# Altium PCB TE0723.PcbDoc (part 3 of 3) (continued)
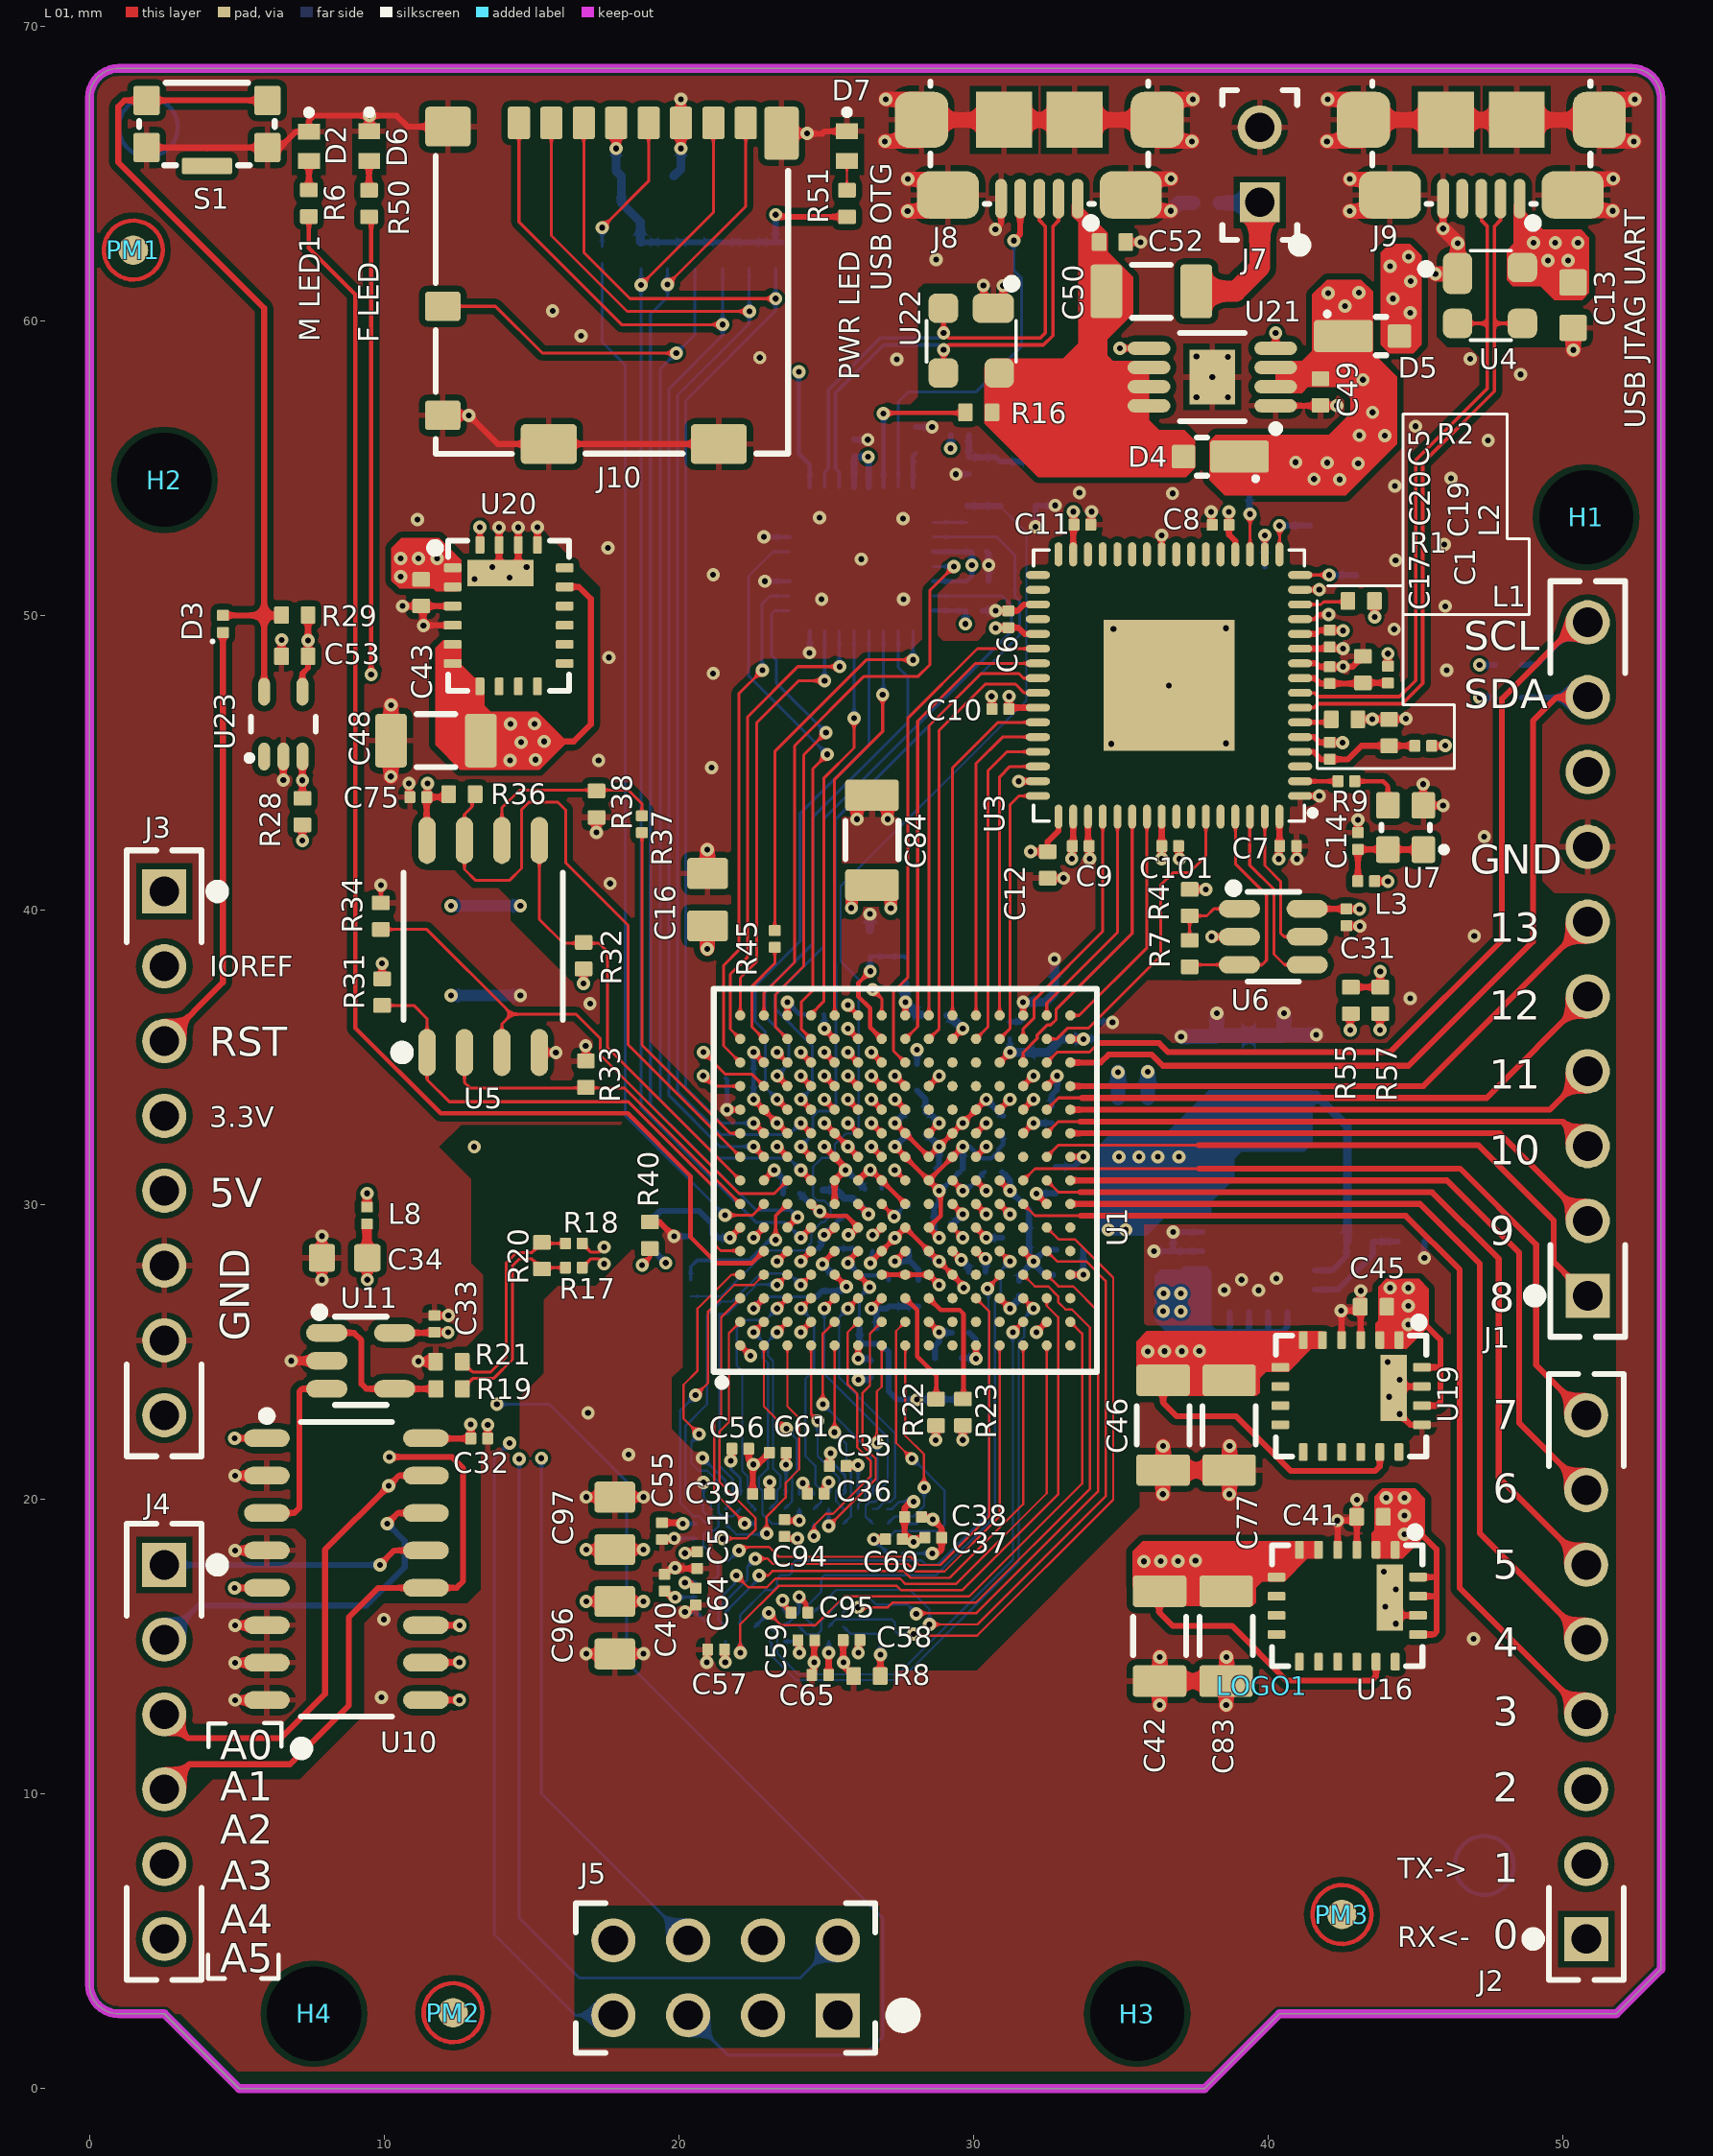
[diagram p0: L 01 view]
## Nets (pads, with @x,y where several pads share a name; then routed paths per layer and width w, separated by ;. In a path a pad name is that pad's centre, name@x,y a point inside that pad or via, vN(x,y) a via of type N, cw(c..) or ccw(c..) an arc to the next point about the centre after c; other vN are vias at no path point) (continued)
OTG-DATA3: U1.A14 U18.6 | length 16.4
  L 01 w0.1: U1.A14@22.09,35.63 21.75,35.97 21.75,37.83 22.34,38.42 22.34,46.57 24.04,48.27 v1(25.46,48.27)
  L 08 w0.1: U18.6@25.45,49.48 25.45,48.28 v1(25.46,48.27)
OTG-DATA4: U1.A15 U18.7 | length 14.8
  L 01 w0.1: U1.A15@22.09,36.43 22.09,37.71 22.64,38.26 22.64,46.36 24.07,47.79 v1(24.95,47.79)
  L 08 w0.1: v1(24.95,47.79) U18.7@24.95,49.48
OTG-DATA5: U1.C14 U18.9 | length 16.7
  L 01 w0.1: U1.C14@23.69,35.63 23.28,36.04 23.28,37.14 24.24,38.1 24.24,45.27 v1(25,46.03)
  L 08 w0.1: U18.9@23.76,50.17 23.25,50.17 23.15,50.07 23.15,48.66 23.31,48.5 23.31,47.72 v1(25,46.03)
OTG-DATA6: U1.A13 U18.10 | length 17.5
  L 01 w0.1: U1.A13@22.09,34.83 21.52,35.4 21.52,38.13 22.04,38.65 22.04,47.35 v1(22.84,48.15)
  L 08 w0.1: v1@22.83,48.03 22.83,50.4 23.1,50.67 U18.10@23.76,50.67
OTG-DATA7: U1.D14 U18.13 | length 19
  L 01 w0.1: U1.D14@24.49,35.63 24.165,35.955 24.165,36.895 24.55,37.28 24.55,44.8 v1(25.04,45.29)
  L 08 w0.1: U18.13@23.76,52.17 23.2,52.17 22.37,51.34 22.37,47.96 v1(25.04,45.29)
OTG-DIR: U1.D11 U18.31 | length 24.1
  L 01 w0.15: v1(24.14,33.58) U1.D11@24.49,33.23
  L 08 w0.1: v1(24.14,33.58) 24.53,33.97 24.53,35.4 23.27,36.66 23.27,37.12 24.92,38.77 24.92,43.1 31.3,49.48 31.3,50.34 30.97,50.67 U18.31@28.64,50.67
OTG-NXT: U1.C12 U18.2 | length 18.3
  L 01 w0.15: v1(23.34,34.38) U1.C12@23.69,34.03
  L 08 w0.1: v1(23.34,34.38) 23.74,34.78 23.74,35.6 22.92,36.42 22.92,37.23 24.56,38.87 24.56,43.17 27.78,46.39 27.78,47.91 27.45,48.24 U18.2@27.45,49.48
OTG-RCLK: R46.2 U18.26 | length 1.1
  L 08 w0.1: U18.26@28.64,53.17 R46.2@29.77,53.17
OTG-STP: U1.B15 U18.29 | length 19.7
  L 01 w0.1: U1.B15@22.89,36.43 22.89,37.19 23.93,38.23 23.93,45.58 26.29,47.94 28.13,47.94 28.52,48.33 28.52,50.85 v1(29.34,51.67)
  L 08 w0.1: U18.29@28.64,51.67 v1(29.34,51.67)
OTG_ID: J8.4 U18.23 | length 13.1
  L 01 w0.2: v1(31.37,62.73) 31.59,62.95 J8.4@31.59,64.155
  L 08 w0.1: U18.23@27.45,54.36 27.45,57.25 27.8,57.6 30.1,57.6 31.63,59.13 31.63,61.46 31.37,61.72 v1(31.37,62.73)
OTG_N: J8.2 U18.19 U22.3 | length 17.1
  L 01 w0.12: U22.3@28.98,58.235 28.99,58.245 v1(28.99,59.025) 29.155,59.19 32.379,59.19 32.7,59.511 32.7,63.215 32.89,63.405 J8.2@32.89,64.155
  L 08 w0.12: U18.19@25.45,54.36 25.45,54.87 25.32,55 25.32,57.56 26.95,59.19 28.825,59.19 v1(28.99,59.025)
OTG_P: J8.3 U18.18 U22.2 | length 17.1
  L 01 w0.12: U22.2@28.98,60.435 28.99,60.425 v1(28.99,59.595) 29.155,59.43 32.28,59.43 32.445,59.595 32.445,63.215 32.24,63.42 J8.3@32.24,64.155
  L 08 w0.12: U18.18@24.95,54.36 24.95,54.87 25.08,55 25.08,57.659 26.851,59.43 28.825,59.43 v1(28.99,59.595)
OTG_VBUS: R16.1 U18.22 | length 5.3
  L 01 w0.15: v1(26.95,56.86) 26.97,56.88 R16.1@29.73,56.88
  L 08 w0.15: U18.22@26.95,54.36 v1(26.95,56.86)
POR_B: R28.1 U1.C9 U23.3 | length 27.4
  L 01 w0.15: v1(23.34,31.98) U1.C9@23.69,31.63
  L 01 w0.2: R28.1@7.23,43.8 v1(7.23,44.41) U23.3@7.23,45.22
  L 03 w0.1: v1(13.06,31.97) 14.2,31.97 14.4,32.17 21.9,32.17 22.11,32.38 22.94,32.38 v1(23.34,31.98)
  L 06 w0.1: v1(7.23,44.41) 8.85,42.79 8.85,36.18 v1(13.06,31.97)
PROG_B: R57.1 U1.K6 | length 18.6
  L 01 w0.075: U1.K6@29.29,29.23 v1(29.64,28.88)
  L 01 w0.1: R57.1@43.8,36.48 R57.1@43.81,36.49
  L 01 w0.2: v1(43.8,35.94) R57.1@43.8,36.48
  L 06 w0.1: v1(29.64,28.88) 30.04,29.28 33.65,29.28 34.01,29.64 38.37,29.64 43.8,35.07 v1(43.8,35.94)
PS_CLK: R30.2 U1.C7 | length 5.1
  L 01 w0.12: v1(23.29,28.81) 23.29,29.63 U1.C7@23.69,30.03
  L 08 w0.12: R30.2@20.41,27.465 20.41,27.9 20.63,28.12 22.39,28.12 23.08,28.81 v1(23.29,28.81)
PUDC: R43.2 R44.1 U1.G14 | length 4.7
  L 01 w0.15: v1@26.36,37.97 v1@26.54,37.97 ; v1(26.5,37.93) 26.1,37.53 26.1,37.07 26.5,36.67 26.5,36.02 U1.G14@26.89,35.63
  L 08 w0.15: v1@26.5,37.95 R44.1@26.5,38.36 ; R44.1@26.54,38.38 26.5,38.42 R44.1@26.49,38.43 27.66,38.43 R43.2@27.68,38.41
RAM_NC1: U8.A1
RAM_NC2: U8.A2
RAM_NC3: U8.A3
RAM_NC4: U8.A4
RAM_NC5: U8.A5
RAM_NC6: U8.A6
RAM_NC7: U8.A10
RAM_NC8: U8.A11
RAM_NC9: U8.B1
RAM_NC10: U8.B2
RAM_NC11: U8.B3
RAM_NC12: U8.B4
RAM_NC13: U8.B5
RAM_NC14: U8.B6
RAM_NC15: U8.B11
RAM_NC16: U8.C1
RAM_NC17: U8.C2
RAM_NC18: U8.C3
RAM_NC19: U8.C5
RAM_NC20: U8.C6
RAM_NC21: U8.C7
RAM_NC22: U8.D2
RAM_NC23: U8.F5
RAM_NC24: U8.F7
RAM_NC25: U8.L3
RAM_NC26: U8.F6
RAM_NC27: U8.G7
RAM_NC28: U8.G6
RAM_NC29: U8.G5
RAM_NC30: U8.H5
RAM_NC31: U8.H6
RAM_NC32: U8.H7
RAM_NC33: U8.J5
RAM_NC34: U8.J6
RAM_NC35: U8.J7
RAM_NC36: U8.K5
RAM_NC37: U8.K6
RAM_NC38: U8.L1
RAM_NC39: U8.K7
RAM_NC40: U8.N5
RAM_NC41: U8.N6
RAM_NC42: U8.N7
RAM_NC43: U8.P1
RAM_NC44: U8.P6
RAM_NC45: U8.P11
RAM_NC46: U8.R1
RAM_NC47: U8.R2
RAM_NC48: U8.R10
RAM_NC49: U8.R11
RAM_NC50: U8.P4
RST: D3.2 R29.1 S1.1 S1.5 U23.5 | length 29.1
  L 01 w0.2: D3.2@4.53,50.01 5.93,50.01 ; U23.5@5.93,47.42 5.93,50.01 ; S1.1@6.04,67.49 S1.5@1.94,67.49 1.19,67.49 0.98,67.28 0.98,65.39 5.93,60.44 5.93,50.01 ; R29.1@6.52,50.02 6.51,50.01 5.93,50.01
RXD: J2.1 U1.N11 | length 41.9
  L 01 w0.15: U1.N11@31.69,33.23 v1(32.04,33.58)
  L 03 w0.2: v1(32.04,33.58) 40.74,33.58 48.09,26.23 48.09,7.79 J2.1@50.8,5.08
SCL: J1.10 R42.1 U1.P13 | length 32.4
  L 01 w0.1: U1.P13@32.49,34.83 32.84,35.18 33.93,35.18 34.24,35.49 ; J1.10@50.524,49.764 J1.10@50.85,49.764
  L 01 w0.2: 34.24,35.49 36.3,35.49 36.61,35.18 44.14,35.18 47.94,38.98 47.94,47.18 J1.10@50.524,49.764
  L 08 w0.2: R42.1@48.61,48.33 49.11,48.33 50.54,49.76 50.835,49.76 J1.10@50.85,49.775
SD_CD/MIO0: J10.9 R15.2 U1.D8 | length 43.5
  L 01 w0.1: J10.9@11.992,60.5 13.78,60.5 15.37,58.91 v1(19.92,58.91)
  L 01 w0.15: v1(24.14,31.18) U1.D8@24.49,30.83
  L 08 w0.1: R15.2@20.55,61.78 20.55,59.55 19.38,58.38 19.38,33.56 21.36,31.58 23.74,31.58 v1(24.14,31.18)
SD_CLK: R12.1 U1.B7 | length 35.5
  L 01 w0.1: v1(21.57,29.648) 22.508,29.648 U1.B7@22.89,30.03
  L 08 w0.1: R12.1@17.4,61.955 17.4,59.29 18.18,58.51 18.18,33.038 v1(21.57,29.648)
SD_CMD: J10.3 R11.2 U1.B10 | length 43.9
  L 01 w0.1: J10.3@16.777,66.725 16.777,62.333 18.35,60.76 v1(23.29,60.76)
  L 01 w0.15: v1(22.54,32.78) U1.B10@22.89,32.43
  L 08 w0.1: v1(22.54,32.78) 21.44,32.78 20.24,33.98 20.24,57.3 23.29,60.35 R11.2@23.29,61.78 R11.2@23.29,61.79
SD_D0: J10.7 R13.2 U1.D6 | length 42.7
  L 01 w0.1: v1(18.72,61.23) 21.177,63.687 J10.7@21.177,66.725
  L 01 w0.15: v1(24.14,28.88) U1.D6@24.49,29.23
  L 08 w0.1: R13.2@18.72,61.78 v1(18.72,61.23) 18.72,33.31 21.19,30.84 22.62,29.41 23.61,29.41 v1(24.14,28.88)
SD_D1: J10.8 R14.2 U1.C6 | length 42.3
  L 01 w0.1: v1(19.62,61.24) 22.277,63.897 J10.8@22.277,66.725
  L 01 w0.15: U1.C6@23.69,29.23 v1(24.04,29.58)
  L 08 w0.1: R14.2@19.62,61.78 19.62,60.81 19.04,60.23 19.04,33.41 22.63,29.82 23.8,29.82 v1(24.04,29.58)
SD_D2: J10.1 R5.2 U1.B9 | length 44.6
  L 01 w0.1: J10.1@14.577,66.725 14.577,63.363 18.06,59.88 v1(21.49,59.88)
  L 01 w0.15: v1(22.54,31.98) U1.B9@22.89,31.63
  L 08 w0.1: R5.2@21.49,61.79 R5.2@21.49,61.78 21.49,59.52 19.67,57.7 19.67,33.71 21.4,31.98 v1(22.54,31.98)
SD_D3: J10.2 R10.2 U1.D10 | length 46.1
  L 01 w0.1: J10.2@15.677,66.725 15.677,62.903 18.25,60.33 v1(22.4,60.33)
  L 01 w0.15: v1(24.14,32.78) U1.D10@24.49,32.43
  L 08 w0.1: R10.2@22.39,61.79 R10.2@22.39,61.78 22.39,59.91 19.96,57.48 19.96,33.85 21.43,32.38 23.74,32.38 v1(24.14,32.78) v1@24.19,32.78
SDA: J1.9 R35.1 U1.R13 | length 29.6
  L 01 w0.2: U1.R13@33.29,34.83 34.32,34.83 34.59,35.1 36.05,35.1 36.43,34.72 44.77,34.72 48.99,38.94 48.99,46.43 49.784,47.224 J1.9@50.85,47.224
  L 08 w0.2: R35.1@48.61,47.22 50.835,47.22 J1.9@50.85,47.235
SPI0_CS: R31.1 U1.A5 U5.1 | length 17.9
  L 01 w0.1: R31.1@9.933,36.77 11.01,36.77 11.459,36.321 U5.1@11.459,35.172 11.459,34.253 12.212,33.5 18.29,33.5 21.16,30.63 21.16,28.71 21.427,28.443 22.077,28.443 U1.A5@22.09,28.43
SPI0_DQ0/M0: R32.1 U1.A8 U5.5 | length 15.1
  L 01 w0.1: U5.5@15.269,42.372 15.269,39.693 16.082,38.88 17.29,38.88 17.587,38.583 17.587,35.333 U1.A8@22.09,30.83
SPI0_DQ1/M1: R33.1 U1.A7 U5.2 | length 12.1
  L 01 w0.1: U5.2@12.729,35.172 12.729,34.153 12.912,33.97 18.15,33.97 U1.A7@22.09,30.03
SPI0_DQ2/M2: R34.1 U1.C8 U5.3 | length 19.5
  L 01 w0.1: R34.1@9.89,39.35 11.45,39.35 14.33,36.47 ; U5.3@13.999,35.172 13.999,36.139 14.33,36.47 ; U1.C8@23.69,30.83 23.24,30.38 22.05,30.38 17.34,35.09 17.34,35.65 16.52,36.47 14.33,36.47
SPI0_DQ3/M3: R36.1 U1.A9 U5.7 | length 22.9
  L 01 w0.1: R36.1@13.09,43.94 12.99,43.84 12.99,43.52 12.729,43.259 U5.7@12.729,42.372 12.729,41.391 13.098,41.022 14.264,41.022 14.664,41.422 14.664,43.422 14.914,43.672 15.896,43.672 16.164,43.404 16.164,41.606 18.282,39.488 18.282,35.438 U1.A9@22.09,31.63
SPI0_SCK: R37.1 U1.A10 | length 11.8
  L 01 w0.1: R37.1@18.754,42.615 18.754,35.426 21.75,32.43 U1.A10@22.09,32.43
SPI0_SCK/M4: R37.2 R38.1 U5.6 | length 6.7
  L 01 w0.1: U5.6@13.999,42.372 13.999,43.479 14.6,44.08 18.29,44.08 18.75,43.62 R37.2@18.75,43.205
TCK: TP3.1 U1.G9 U3.16 | length 40.1
  L 01 w0.1: U3.16@41.09,51.38 v1(42.07,51.38)
  L 01 w0.15: v1(26.54,31.98) U1.G9@26.89,31.63
  L 06 w0.1: v1(26.54,31.98) 26.915,31.605 30.005,31.605 30.38,31.23 32.67,31.23 33.64,32.2 37.53,32.2 39.05,33.72 39.05,52.48 40.18,53.61 40.91,53.61 42.07,52.45 v1(42.07,51.38)
  L 08 w0.2: v1(42.07,51.38) 42.987,51.38 TP3.1@43.005,51.362
TDI: TP1.1 U1.L7 U3.17 | length 33.7
  L 01 w0.1: U3.17@40.39,52.08 v1(40.39,53.06)
  L 01 w0.15: U1.L7@30.09,30.03 v1(30.44,29.68)
  L 06 w0.1: v1(30.44,29.68) 30.84,30.08 31.53,30.08 31.66,29.95 32.77,29.95 33.34,30.52 37.37,30.52 39.85,33 39.85,50.7 40.39,51.24 v1(40.39,53.06)
  L 08 w0.2: v1(40.39,53.06) 41.419,53.06 TP1.1@41.422,53.057
TDO: TP2.1 U1.L8 U3.18 | length 32
  L 01 w0.1: U3.18@39.89,52.08 v1(39.89,52.73)
  L 01 w0.15: U1.L8@30.09,30.83 v1(30.44,30.48)
  L 06 w0.1: v1(30.44,30.48) 30.88,30.92 37.15,30.92 39.45,33.22 39.45,50.836 39.89,51.276 v1(39.89,52.73)
  L 08 w0.2: v1(39.89,52.73) 39.89,51.669 TP2.1@39.891,51.668
TMS: TP4.1 U1.L9 U3.19 | length 32.3
  L 01 w0.1: U3.19@39.39,52.08 v1(39.39,53.45)
  L 01 w0.15: U1.L9@30.09,31.63 v1(30.44,31.98)
  L 06 w0.1: v1(30.44,31.98) 30.892,31.528 32.428,31.528 33.45,32.55 37.03,32.55 37.71,33.23 37.71,36.81 38.53,37.63 38.53,44.99 38.08,45.44 38.08,52.14 v1(39.39,53.45)
  L 08 w0.2: TP4.1@39.37,54.404 39.37,53.47 v1(39.39,53.45)
TXD: J2.2 U1.M11 | length 41.1
  L 01 w0.15: U1.M11@30.89,33.23 v1(31.24,33.58)
  L 03 w0.1: 31.64,33.98 33.21,33.98
  L 03 w0.2: v1(31.24,33.58) 31.64,33.98 ; 33.21,33.98 41.36,33.98 48.74,26.6 48.74,9.68 J2.2@50.8,7.62
USB_B_VBUS: C13.2 D5.2 J9.1 U4.4
  other v1: 44.83,60.28 44.24,60.76 44.84,61.35 44.14,61.86 49.5,62.06 50.18,62.06 44.77,62.19 49.01,62.66 49.75,62.66 50.52,62.66
USB_OC: U1.F15 U21.5 | length 28.2
  L 01 w0.1: v1(25.74,36.78) U1.F15@26.09,36.43
  L 01 w0.2: v1(34.97,59.08) 35.955,59.08 U21.5@35.96,59.075
  L 03 w0.2: v1(25.74,36.78) 25.01,37.51 25.01,43.64 28.64,47.27 28.64,52.75 v1(34.97,59.08)
USB_OTG_VBUS: C50.2 C52.1 D4.2 J8.1 R16.2 U21.6 U21.7 U21.8 U22.4
V_N: C28.2 R18.2 U1.H8 | length 13.5
  L 01 w0.1: R18.2@16.725,28.69 17.025,28.39 17.295,28.39 v1(17.47,28.565) ; v1@27.34,31.18 U1.H8@27.69,30.83
  L 06 w0.1: v1(17.47,28.565) 17.655,28.38 17.987,28.38 20.218,30.611 27.231,30.611 27.33,30.71 v1(27.33,31.18)
  L 08 w0.1: v1(27.33,31.18) 27.67,30.84 C28.2@27.84,30.84
V_P: C28.1 R17.2 U1.G7 | length 13.9
  L 01 w0.1: R17.2@16.725,27.87 17.025,28.17 17.295,28.17 v1(17.47,27.995) ; U1.G7@26.89,30.03 27.315,29.605 v1@27.32,29.6
  L 06 w0.1: v1(17.47,27.995) 17.655,28.18 18.07,28.18 20.301,30.411 27.259,30.411 27.32,30.35 27.32,29.61 v1(27.31,29.6)
  L 08 w0.1: v1(27.31,29.6) 27.65,29.94 C28.1@27.84,29.94
VBUS_V_EN: U18.17 U21.4 | length 21.6
  L 01 w0.2: U21.4@40.26,59.075 v1(40.26,59.6)
  L 03 w0.15: v1(24.08,58.28) 33.19,58.28 34.86,59.95 39.91,59.95 v1(40.26,59.6)
  L 08 w0.15: v1@24.07,58.29 24.07,55.5 24.45,55.12 U18.17@24.45,54.36
VCORE: C5.1 C6.1 C7.1 C12.2 U3.12 U3.37 U3.49 U3.64 | length 31.2
  L 01 w0.2: v1@30.745,49.595 C6.1@31.19,49.595 31.525,49.595 31.74,49.38 U3.37@32.19,49.38 ; v1@32.02,41.99 C12.2@32.52,41.99 32.52,42.33 32.89,42.7 U3.49@32.89,43.18 ; v1(40.36,41.74) 40.36,42.145 C7.1@40.395,42.18 ; C7.1@40.39,42.18 U3.64@40.39,43.18 ; U3.12@41.09,49.38 41.63,49.38 41.755,49.505 C5.1@42.09,49.505 42.535,49.505 v1(42.55,49.49)
  L 03 w0.2: 41.88,49.18 42.19,49.49 v1(42.55,49.49)
  L 03 w0.6: v1@30.76,49.495 33,47.255 33,43.05 ; v1(31.94,41.99) 33,43.05 ; v1@40.278,41.758 38.986,43.05 ; 41.88,49.18 41.18,48.48 41.18,45.244 38.986,43.05 ; 33,43.05 38.986,43.05
  other v1: 30.76,49.58
VR_N: R18.1 R20.2 R21.1 | length 7.4
  L 01 w0.1: R21.1@12.65,24.68 13.003,24.327 13.627,24.327 14.14,24.84 14.14,28.021 14.504,28.385 15.019,28.385 R20.2@15.359,28.725 ; R20.2@15.394,28.69 R18.1@16.155,28.69
  L 01 w0.15: R20.2@15.359,28.725 R20.2@15.394,28.69
VR_P: R17.1 R19.2 R20.1 | length 7.3
  L 01 w0.1: R19.2@12.659,23.754 13.012,24.107 13.718,24.107 14.36,24.749 14.36,27.93 14.595,28.165 15.019,28.165 R20.1@15.359,27.825 15.404,27.87 R17.1@16.155,27.87
pads on no net: H1.1 H2.1 H3.1 H4.1 J3.1 J3.8 J9.4 PM1.0 PM2.0 PM3.0 PM4.0 PM5.0 PM6.0 S1.3 U1.J7 U3.3 U3.21 U3.22 U3.23 U3.24 U3.26 U3.27 U3.28 U3.29 U3.30 U3.32 U3.33 U3.34 U3.36 U3.57 U3.58 U3.60 U16.8 U16.9 U16.10 U16.11 U16.12 U16.13 U16.14 U16.16 U17.8 U17.9 U17.10 U17.11 U17.12 U17.13 U17.14 U18.12 U18.15 U18.16 U18.25 U19.8 U19.9 U19.10 U19.11 U19.12 U19.13 U19.14 U19.16 U20.8 U20.9 U20.10 U20.11 U20.12 U20.13 U20.14 U20.16 U23.1

## Polygon pours and split planes (outlines as drawn)
GND on L 03 "L03_GND" (solid, remove dead copper, pour order 18): -0.47,68.58 -0.47,0 39.538,0 40.978,1.44 53.333,1.44 53.34,68.58
1.2V on L 03 "L03_1V2" (solid, remove dead copper, pour order 17): 22.39,27.63 19.679,24.919 19.182,24.53 19.182,17.958 18.57,17.345 16.715,17.345 16.38,17.01 16.38,15.63 18.2,13.81 34.26,13.81 37.98,17.53 37.98,18.17 35.24,20.91 35.24,24.53 35.24,26.98 35.24,27.28 34.64,27.88 34.49,28.03 33.89,28.03 33.74,28.03 33.19,27.48 26.04,27.48 25.84,27.68 22.44,27.68
1.0V on L 03 "L03_1V" (solid, remove dead copper, pour order 16): 24.84,33.18 24.54,32.88 24.54,31.73 24.69,31.58 27.24,31.58 27.59,31.58 27.84,31.33 27.99,31.18 27.99,29.83 27.99,29.58 27.74,29.33 27.69,29.28 26.34,29.28 26.14,29.08 26.14,27.88 26.34,27.68 33.09,27.68 33.846,28.436 35.143,28.436 37.712,31.006 37.712,32.302 37.712,32.718 37.25,33.18
GND on L 02 "L02_GND" (solid, remove dead copper, pour order 15): -0.71,68.58 -0.71,-0.15 39.388,-0.15 53.333,-0.15 53.34,68.58
GND on L 08 "L08_GND" (solid, remove dead copper, pour order 26): -0.81,68.58 -0.81,-0.11 49.942,-0.11 53.333,3.281 53.34,68.58
USB_B_VBUS on L 08 "L08_USBBVBUS" (solid, remove dead copper, pour order 25): 50.83,63.08 49.54,64.37 45.48,64.37 45.07,64.37 43.88,63.18 43.77,63.07 43.77,61.29 43.77,60.48 44.1,60.15 44.56,59.69 45.91,59.69 49.15,59.69 50.83,61.37
5V on L 06 "L06_5V" (solid, remove dead copper, pour order 23): -0.96,68.58 -0.96,2.491 2.377,-0.85 38.688,-0.85 39.678,0.14 53.333,0.14 53.34,68.58
1.8V on L 04 "L04_1V8" (solid, remove dead copper, pour order 19): -0.42,68.58 -0.42,-0.9 38.638,-0.9 40.918,1.38 53.333,1.38 53.34,68.58
BDDR_VREF on L 05 "L05_DDRVREF" (solid, remove dead copper, pour order 20): 27.89,23.99 28.36,23.99 28.51,23.84 28.72,23.63 28.72,21.64 28.72,20.751 26.617,18.648 24.329,16.36 23.88,16.36 23.78,16.36 23.33,16.81 23.02,17.12 23.02,19.2 23.02,20.556 23.639,21.175 24.039,21.575 25.156,21.575 25.156,21.646 25.75,22.24 27.5,23.99 27.59,23.99
3.3VA on L 05 "L05_3V3A" (solid, remove dead copper, pour order 21): 13.33,22.21 13.33,26.23 12.73,26.83 11.1,28.46 9.76,28.46 9.29,28.46 8.83,28 8.75,27.92 8.75,26.4 8.75,24.11 10.58,22.28 11.01,21.85 12.99,21.85 13.05,21.85 13.27,22.07 13.33,22.13 13.33,22.17
3.3V on L 05 "L05_3V3" (solid, remove dead copper, pour order 22): -0.76,68.58 -0.76,1.852 1.459,-0.37 39.168,-0.37 41.268,1.73 53.333,1.73 53.34,68.58
GND on L 07 "L07_GND" (solid, remove dead copper, pour order 24): -0.77,68.58 -0.77,2.382 1.979,-0.37 39.168,-0.37 41.708,2.17 53.333,2.17 53.34,68.58
GND on L 01 "L01_GND" (solid, remove dead copper, pour order 14): -0.04,68.58 -0.04,2.541 3.082,2.539 5.032,0.586 38.075,0.586 40.1,2.61 53.333,2.61 53.34,68.58

## Keep-outs
Keep-Out Layer:
  the board outline again, w0.3

## Other copper
L 01:
  pour cut-out: 16.777,66.725 16.77,66.718 16.77,61.92 17.66,61.03 18.87,61.03 21.5,63.66 21.5,66.81
  pour cut-out: 16.47,6.21 16.47,1.39 26.8,1.39 26.8,6.21
  pour cut-out: 12.45,25.185 12.795,25.185 13.37,25.76 13.37,27.84 13.61,27.84 13.62,27.85 13.885,27.585 13.885,24.946 13.521,24.582
  pour cut-out: 14.48,23.35 15.41,24.28 15.41,26.77 16.22,27.58 14.5,27.58 14.45,27.53
  pour cut-out: 22.84,48.481 22.884,48.525 27.585,48.525 28.53,49.47 28.63,49.47 28.965,49.135 30.14,49.135 30.429,49.424 30.429,49.58 30.85,49.58 31.1,49.33 31.1,48.63 31.02,48.63 28.67,46.28 23.41,46.28 23.2,46.49
  pour cut-out: 42.365,18.29 42.405,18.33 43.15,18.33 44.81,16.67 44.81,15.15 44.41,14.75 42.216,14.75 41.816,15.151 41.816,17.785
  pour cut-out: 42.2,25.44 43.925,25.44 44.31,25.055 44.31,22.84 44.969,22.18 44.72,21.931 44.72,21.91 43.93,21.91 43.91,21.89 43.265,22.535 40.42,22.535 40.42,24.03 40.76,24.37
  pour cut-out: 11.459,41.362 12.397,41.362 13,40.76 13.88,40.76 14.294,40.346 14.294,39.66 16.314,37.64 16.51,37.836 16.51,40.82 15.14,42.19 11.55,42.19
  pour cut-out: 14.6,44.335 13.355,44.335 13.26,44.24 13.42,44.08 14.6,44.08
  pour cut-out: 34.961,36.69 35.911,37.64 41.73,37.64 41.73,37.98 41.46,38.25 36.05,38.25 34.59,37.48
  pour cut-out: 11.59,37.76 12.31,37.76 12.68,37.39 12.68,36.79 12.03,36.79 12,36.76
  pour cut-out: 30.2,61.27 28.32,61.27 28.13,61.08 28.13,57.42 27.82,57.11 27.89,57.04 29.61,57.04 30.14,57.57 30.14,59.14
  pour cut-out: 31.37,62.399 31.37,61.384 31.09,61.104 31.09,59.86 31.19,59.76 31.32,59.89 31.7,59.89 31.7,62.84 31.661,62.879
  pour cut-out: 49.974,59.119 48.239,59.119 47.83,58.71 47.24,58.71 46.83,59.12 46.086,59.12 45.726,59.48 45.726,61.17 46.685,62.129 46.685,63.425 47.15,63.89 48.02,63.89 48.02,63.88 50.1,61.8 50.1,60.2
  pour cut-out: 33.39,43.18 32.89,43.18 32.19,43.88 32.19,51.38 32.89,52.08 40.39,52.08 41.09,51.38 41.09,44.25 40.019,43.179 39.379,43.179
  pour cut-out: 32.015,41.29 31.33,41.29 31.33,41.45 31.42,41.54 32.27,41.54
  pour cut-out: 51.809,12.755 51.8,12.764 51.8,39.623 50.85,40.573 49.717,40.573 49.15,41.14 49.15,46.59 49.795,47.235 51.808,47.235 51.808,49.775 50.515,49.775 47.96,47.22 47.96,15.646 50.85,12.756
  pour cut-out: 19.075,29.15 19.99,29.15 20.143,28.997 20.143,24.493 19.78,24.13 19.78,22.39 20.54,21.63 20.78,21.63 20.78,20.07 21.19,19.66 21.163,19.633 21.163,18.357 21.48,18.04 21.48,15.661 21.131,15.312 21.578,14.865 21.578,14.146 22.476,14.146 22.54,14.21 30.11,14.21 35.637,19.737 35.637,25.733 35.802,25.898 35.802,30.478 33.57,32.71 12.62,32.71 11.88,31.97 12.966,30.885 12.966,28.025 14.03,26.96 14.54,26.96 14.84,27.26 17.185,27.26
  pour cut-out: 15.403,52.886 17.326,50.962 17.326,46.31 15.09,46.31 12.48,48.92 12.48,51.21 13.32,52.05
  region net USB_B_VBUS: 48.34,63.95 48.34,62.63 48.1,62.39 48.1,61.39 48.3,61.19 49.25,61.19 49.72,60.72 50.66,60.72 50.9,60.96 50.9,62.83 50.63,63.1 49.33,63.1 48.59,63.84 48.59,63.95
  region net USB_B_VBUS: 44.11,58.91 43.82,59.2 43.82,62.32 44.12,62.62 44.82,62.62 45.21,62.23 45.21,59.19 44.93,58.91
  region net USB_OTG_VBUS: 33.34,63.96 33.34,63.57 33.56,63.35 33.56,59.25 33.04,58.73 30.66,58.73 30.38,58.45 30.38,56.52 32.19,54.71 37.21,54.71 37.52,55.02 37.52,55.94 37.16,56.3 36.3,56.3 35.96,56.64 35.96,58.425 35.735,58.65 34.73,58.65 34.54,58.84 34.54,59.37 35.42,60.25 35.42,61.49 34.56,62.35 34.56,62.99 33.65,63.9
  region net 5V: 40.26,58.425 40.475,58.64 41.16,58.64 41.5,58.98 41.5,60.9 42,61.4 43.16,61.4 43.56,61 43.56,58.92 44.38,58.1 44.38,55.82 42.64,54.08 38.54,54.08 38.01,54.61 38.01,55.93 38.22,56.14 42.07,56.14 42.8,56.87 42.8,57.37 42.41,57.76 41.35,57.76 41.15,57.56 40.26,57.56
  region net 5V: 44.58,17.99 45.33,18.74 45.33,20.03 44.99,20.37 43.88,20.37 43.61,20.1 43.61,18.95 43.52,18.86 43.52,18.14 43.67,17.99
  region net 1.2V: 35.65,16.39 39.48,16.39 39.59,16.5 39.59,17 39.8,17.21 40.56,17.21 41.34,17.99 41.74,17.99 41.74,18.57 41.72,18.59 35.75,18.59 35.4,18.24 35.4,17.04
  region net 1.8V: 35.78,23.51 39.61,23.51 39.72,23.62 39.72,24.12 39.93,24.33 40.69,24.33 41.47,25.11 41.87,25.11 41.87,25.69 41.85,25.71 35.88,25.71 35.53,25.36 35.53,24.16
  region net 5V: 44.71,25.11 45.46,25.86 45.46,27.15 45.12,27.49 44.01,27.49 43.74,27.22 43.74,26.07 43.65,25.98 43.65,25.26 43.8,25.11
  region net 5V: 12.63,51.89 11.88,52.64 10.59,52.64 10.25,52.3 10.25,51.19 10.52,50.92 11.67,50.92 11.76,50.83 12.48,50.83 12.63,50.98
  region net 3.3V: 12.63,49.05 12.63,48.33 13.06,47.9 13.2,47.9 13.4,47.7 13.4,46.95 13.61,46.74 15.2,46.74 16.22,45.72 15.27,44.77 12.58,44.77 11.74,45.61 11.74,48.9 12.01,49.17 12.16,49.17
  pour cut-out: 1.582,10.16 1.582,12.7 1.602,12.72 2.29,12.72 2.29,10.41 2.54,10.16
  pour cut-out: 6.496,19.029 6.965,19.029 7.694,18.3 7.954,18.56 8,18.56 8,19.23 7.33,19.9
  pour cut-out: 14.591,21.91 14.591,23.811 14.476,23.927 14.419,23.87 13.75,23.87 12.945,23.065 12.945,22.208
  pour cut-out: 11.896,16.489 12.819,16.489 13.275,16.945 13.275,21.779 12.845,22.208 11.421,20.784 11.421,17.409 11.72,17.11
  pour cut-out: 3.37,9.681 4.189,10.5 7.13,10.5 9.31,12.68 9.31,15.8 9.999,16.489 10.946,16.489 10.946,16.786 11.06,16.9 10.93,17.03 9.03,17.03 8.3,16.3 8.3,13.56 6.17,11.43 3.14,11.43
  pour cut-out: 7.365,18.629 7.365,13.197 6.547,12.38 3.074,12.38 2.967,12.273 3.36,11.88 6.48,11.88 8.1,13.5 8.1,18.795 8,18.895
L 03:
  pour cut-out: 35.348,27.229 35.348,28.518 35,28.17 35,27.61 35.03,27.58
  pour cut-out: 10.512,21.441 10.512,17.999 10.187,17.674 10.06,17.801 10.06,21.63 10.052,21.638
  pour cut-out: 51.79,5.79 51.798,5.798 51.798,7.38 50.84,7.38 51.059,7.161 51.059,5.205
  pour cut-out: 1.582,5.08 1.582,7.62 2.54,7.62 2.54,5.08
L 06:
  pour cut-out: 9.39,48.62 6.657,45.887 6.657,44.053 8.47,42.24 8.47,35.77 12.1,32.14 12.1,17.02 11.89,16.81 11.89,12.85 12.13,12.61 13.11,12.61 14.7,14.2 17.48,16.98 17.48,23.34 18,23.86 30.403,23.86 35.633,29.09 38.61,29.09 44.41,34.89 44.41,36.6 41.85,39.16 41.85,46.71 43.03,47.89 43.03,52.36 40.82,54.57 37.96,54.57 37.23,53.84 37.23,42.86 36.28,41.91 36.28,37.67 34.87,36.26 29.3,36.26 27.73,37.83 27.73,38.32 26.98,39.07 24.74,39.07 23.69,38.02 23.01,38.02 22.19,37.2 19.79,37.2 18.65,36.06 12.02,36.06 11.3,36.78 11.3,47.51 10.19,48.62
L 08:
  pour cut-out: 16.47,6.22 16.47,1.4 26.8,1.4 26.8,6.22
  pour cut-out: 16.995,61.807 16.995,64.011 17.364,64.38 17.69,64.38 17.69,61.977 17.482,61.769
  pour cut-out: 24.75,50.02 23.73,50.02 23.62,49.91 23.65,49.88 23.65,48.97 24.45,48.17 24.91,48.63 24.91,48.67
  pour cut-out: 30.673,50.07 30.643,50.1 29.97,50.1 29.97,49.746 30.136,49.58 30.76,49.58
  pour cut-out: 36.13,28.43 35.67,28.89 35.67,28.91 35.92,28.91 36.5,29.49 40.73,29.49 41.58,28.64 41.58,26.99 40.88,26.29 40.82,26.35 38.48,26.35 37.55,27.28
  pour cut-out: 29.358,28.371 21.179,28.371 20.41,27.602 20.41,26.553 20.718,26.245 20.718,24.034 19.77,23.086 19.77,19.218 19.878,19.11 20.38,19.11 21.59,17.9 21.59,14.127 23.143,14.127 23.79,13.48 27.76,13.48 31.93,17.65 31.93,25.43 32.45,25.95 32.45,26.69 31.94,27.2 30.73,27.2 30.25,27.68
  region net 5V: 37.93,27.92 37.15,27.92 37.03,27.8 36.35,27.8 36.15,27.6 36.15,26.08 36.64,25.59 38.17,25.59 38.29,25.71 38.08,25.92 38.08,27.74
  region net 1.0V: 37.94,29.57 36.5,29.57 35.89,28.96 34.46,28.96 34.21,29.21 34.21,31.97 34.63,32.39 36.5,32.39 38,33.89 41.47,33.89 41.86,33.5 41.79,33.43 41.64,33.43 41.51,33.3 41.51,32.99 41.51,32.08 41.24,31.81 39.11,31.81 38.86,31.56 38.86,30.88 38.07,30.09 38.07,29.65
  pour cut-out: 1.582,15.24 1.582,17.412 1.78,17.61 2,17.39 2.53,17.39 2.53,15.25 2.54,15.24

## Silkscreen, mask and mechanical layers (free items; w line width, h text height)
Top Overlay:
  circle w0.4: c7.2,11.55 r0.2
  lines w0.1: 41.67,50.51 41.67,44.82 41.68,44.81 41.79,44.81 46.33,44.81 46.33,46.97 44.58,46.97 44.58,51.01 42.03,51.01 ; 44.58,50.04 44.58,56.84 48.12,56.84 48.12,52.61 48.86,52.61 48.86,50.04 44.58,50.04
  lines w0.15: 4.02,4.54 4.02,3.74 4.6,3.74 ; 4.04,11.6 4.04,12.4 4.62,12.4 ; 5.84,3.74 6.42,3.74 6.42,4.54 ; 5.93,12.41 6.51,12.41 6.51,11.61
  text "USB OTG" at 27.22,61.02 h0.7 r90
  text "M LED1" at 7.82,59.29 h0.7 r90
  text "F LED" at 9.82,59.26 h0.7 r90
  text "PWR LED" at 26.14,57.99 h0.7 r90
  text "USB JTAG UART" at 52.79,56.34 h0.7 r90
  text "SCL" at 46.65,48.82 h1
  text "SDA" at 46.65,46.85 h1
  text "GND" at 46.86,41.23 h1
  text "13" at 47.51,38.93 h1
  text "IOREF" at 4.07,37.75 h0.7
  text "12" at 47.51,36.29 h1
  text "RST" at 4.07,35.04 h1
  text "11" at 47.51,33.94 h1
  text "3.3V" at 4.07,32.64 h0.7
  text "10" at 47.51,31.37 h1
  text "5V" at 4.07,29.92 h1
  text "9" at 47.51,28.63 h1
  text "8" at 47.51,26.37 h1
  text "GND" at 5.43,25.37 h1 r90
  text "7" at 47.63,22.37 h1
  text "6" at 47.63,19.89 h1
  text "5" at 47.63,17.3 h1
  text "4" at 47.63,14.66 h1
  text "3" at 47.63,12.31 h1
  text "A0" at 4.43,11.18 h1
  text "A1" at 4.43,9.77 h1
  text "2" at 47.63,9.74 h1
  text "A2" at 4.43,8.3 h1
  text "TX->" at 44.39,7.14 h0.7
  text "1" at 47.63,7 h1
  text "A3" at 4.43,6.74 h1
  text "A4" at 4.43,5.27 h1
  text "RX<-" at 44.39,4.8 h0.7
  text "0" at 47.63,4.74 h1
  text "A5" at 4.43,3.94 h1
Bottom Overlay:
  lines w0.1: 22.8,27.97 25.54,27.97 25.81,28.24 25.81,28.57 ; 26.31,33.37 26.79,32.89 26.79,31.28 27.36,30.71 ; 30.22,53.79 30.22,53.17 30.44,52.95 33.39,52.95
  text "TMS" at 37.6,54.03 h0.7 r270
  text "TDI" at 42.55,52.59 h0.7 r270
  text "TE0723-01" at 5.55,51.74 h1.5 r270
  text "TDO" at 38.23,50.54 h0.7 r270
  text "TCK" at 44.13,50.21 h0.7 r270
  text "W" at 5.73,36.1 h10 r270
  text "C" at 11.05,20.19 h10 r90
  text "Germany" at 8.16,6.33 h2 r270
  text "32257 Bünde" at 10.16,6.33 h2 r270
  text "Holzweg 19A" at 12.16,6.33 h2 r270
  text "Trenz Electronic GmbH" at 14.16,6.3 h2 r270
PCB-Outline-GM6:
  the board outline again, w0.1

## Dimensions
5.08,0 to 1,68.58 on Dim-Bot-GM2
2.54,22.86 to 1,68.58 on Dim-Bot-GM2
2.54,5.08 to 1,68.58 on Dim-Bot-GM2
7.62,2.54 to 1,68.58 on Dim-Bot-GM2
0,3.54 to 2.54,2.54 on Dim-Bot-GM2
0,3.54 to 5.08,0 on Dim-Bot-GM2
0,3.54 to 7.62,2.54 on Dim-Bot-GM2
0,3.54 to 35.56,2.54 on Dim-Bot-GM2
0,3.54 to 37.85,0 on Dim-Bot-GM2
0,3.54 to 40.39,2.54 on Dim-Bot-GM2
0,3.54 to 53.34,4.06 on Dim-Bot-GM2
0,67.58 to 50.8,53.34 on Dim-Bot-GM2
52.34,68.58 to 50.8,53.34 on Dim-Bot-GM2
52.34,68.58 to 50.85,26.915 on Dim-Bot-GM2
52.34,68.58 to 50.8,5.08 on Dim-Bot-GM2
2.54,40.64 to 0,67.58 on Dim-Bot-GM2
0,3.54 to 51.82,2.54 on Dim-Bot-GM2
1,68.58 to 2.54,54.61 on Dim-Bot-GM2
1,68.58 to 2.54,54.61 on Dim-Top-GM1
0,3.54 to 51.82,2.54 on Dim-Top-GM1
2.54,40.64 to 0,67.58 on Dim-Top-GM1
52.34,68.58 to 50.8,5.08 on Dim-Top-GM1
52.34,68.58 to 50.85,26.915 on Dim-Top-GM1
52.34,68.58 to 50.8,53.34 on Dim-Top-GM1
0,67.58 to 50.8,53.34 on Dim-Top-GM1
0,3.54 to 53.34,4.06 on Dim-Top-GM1
0,3.54 to 40.39,2.54 on Dim-Top-GM1
0,3.54 to 37.85,0 on Dim-Top-GM1
0,3.54 to 35.56,2.54 on Dim-Top-GM1
0,3.54 to 7.62,2.54 on Dim-Top-GM1
0,3.54 to 5.08,0 on Dim-Top-GM1
0,3.54 to 2.54,2.54 on Dim-Top-GM1
7.62,2.54 to 1,68.58 on Dim-Top-GM1
2.54,5.08 to 1,68.58 on Dim-Top-GM1
2.54,22.86 to 1,68.58 on Dim-Top-GM1
5.08,0 to 1,68.58 on Dim-Top-GM1

## Text inside footprints (layer, text, board x,y; h text height)
D2: Assembly Top-GM13 "K" at 7.8,66.555 h0.7 r90; Assembly Top-GM13 "A" at 7.8,64.83 h0.7 r90
D6: Assembly Top-GM13 "A" at 9.85,64.84 h0.7 r90; Assembly Top-GM13 "K" at 9.85,66.565 h0.7 r90
D7: Assembly Top-GM13 "A" at 26.06,64.84 h0.7 r90; Assembly Top-GM13 "K" at 26.06,66.565 h0.7 r90
J1: Assembly Top-GM13 "1" at 50.72,26.56 h1; Assembly Top-GM13 "10" at 50.16,48.62 h1
J2: Assembly Top-GM13 "8" at 51.03,23.31 h1 r180; Assembly Top-GM13 "1" at 50.72,4.55 h1
J3: Assembly Top-GM13 "8" at 2.85,23.17 h1 r180; Assembly Top-GM13 "1" at 2.4,40.1 h1
J4: Assembly Top-GM13 "6" at 2.15,4.58 h1; Assembly Top-GM13 "1" at 2.43,17.39 h1
J5: Assembly Bot-GM14 "1" at 26.395,1.46 h1; Assembly Bot-GM14 "7" at 17.315,1.36 h1; Assembly Bot-GM14 "8" at 17.315,5.16 h1; Assembly Bot-GM14 "2" at 26.54,5.16 h1
J7: Assembly Top-GM13 "2" at 39.19,69.05 h1.52; Assembly Top-GM13 "1" at 39.62,60.88 h1.52
J8: Fab-Notes-GM5 "PCB edge" at 28.42,70.22 h1
J9: Fab-Notes-GM5 "PCB edge" at 43.11,69.94 h1